# KiCad board VME_Backplane_8ActPas.kicad_pcb (continued)
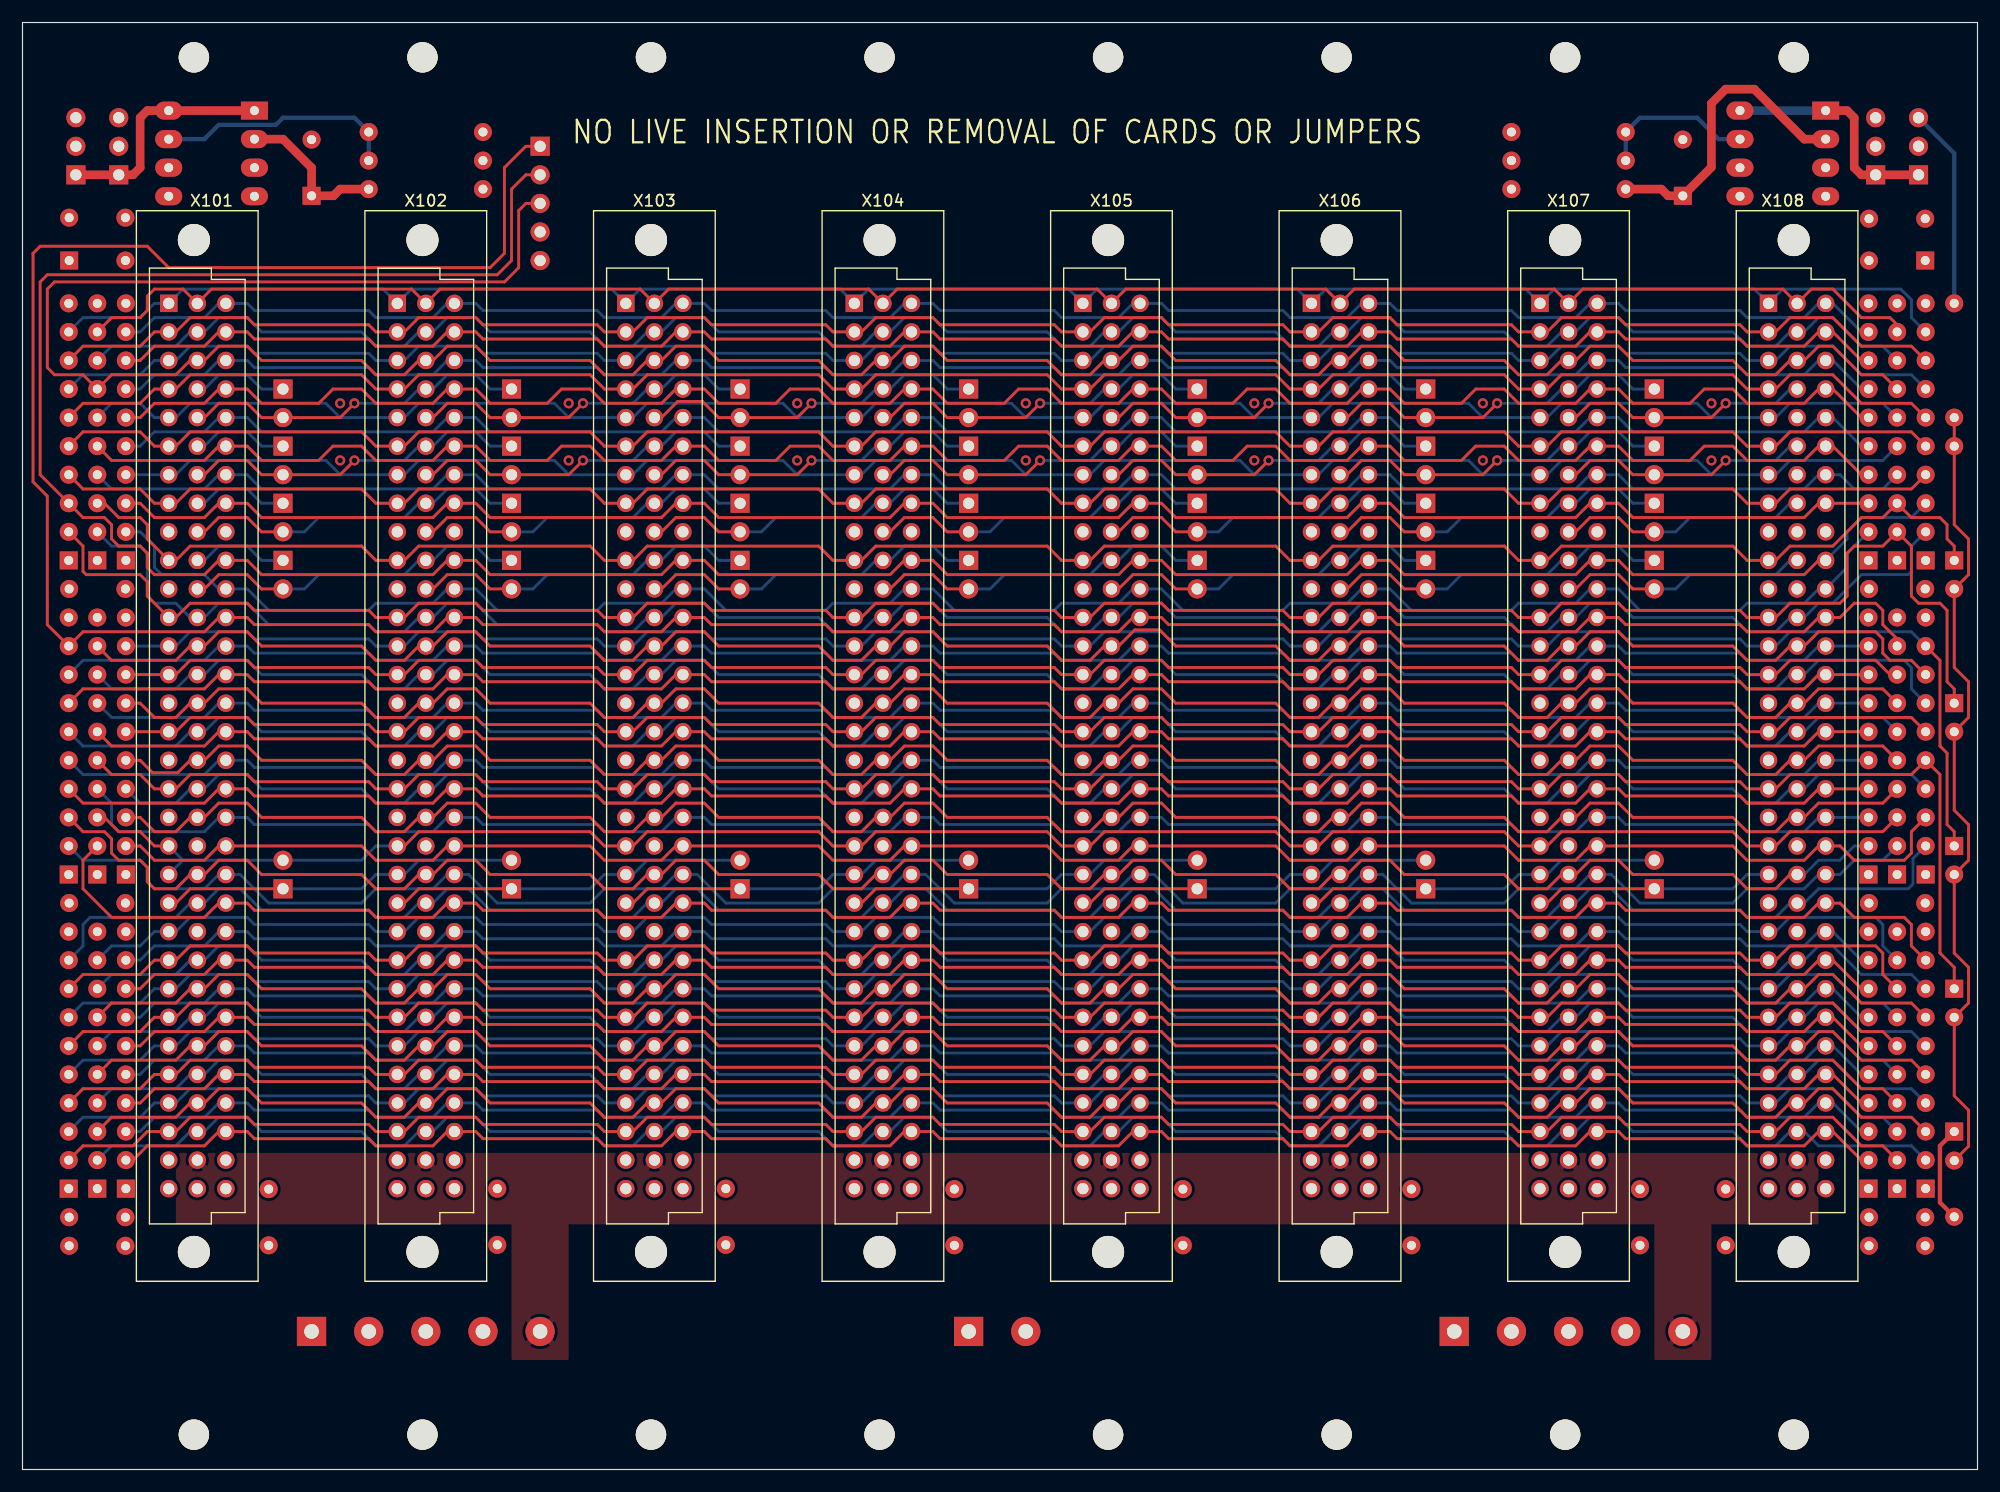
[diagram p0: board, top side]
## Routing (per net, layer and track width the routed paths; a pad name or vN(x,y) marks a point on that pad's centre or on a via; arc(x,y) is an arc through that point) (continued)
D10: length 164.4
  Bottom w0.254: R3.7 10.46,96.1 11.73,97.37 16.17,97.37 17.45,98.64 X101.c3 19.98,98.64 20.62,98.01 30.78,98.01 31.41,97.37 36.49,97.37 37.76,98.64 X102.c3 40.3,98.64 40.94,98.01 51.1,98.01 51.73,97.37 56.82,97.37 58.09,98.64 X103.c3 60.62,98.64 61.26,98.01 71.42,98.01 72.06,97.37 77.13,97.37 78.41,98.64 X104.c3 80.94,98.64 81.58,98.01 91.74,98.01 92.38,97.37 97.45,97.37 98.72,98.64 X105.c3 101.26,98.64 101.9,98.01 112.06,98.01 112.69,97.37 117.78,97.37 119.04,98.64 X106.c3 121.58,98.64 122.22,98.01 132.38,98.01 133.01,97.37 138.09,97.37 139.36,98.64 X107.c3 141.91,98.64 142.54,98.01 152.7,98.01 153.33,97.37 158.41,97.37 159.69,98.64 X108.c3 160.95,98.64 163.5,96.1 R10.7
D11: length 171.8
  Top w0.254: R10.6 163.5,93.56 160.95,96.1 X108.c4 159.69,96.1 158.41,94.83 153.33,94.83 152.06,96.1 149.53,96.1 148.25,94.83 143.17,94.83 141.91,96.1 X107.c4 139.36,96.1 138.09,94.83 133.01,94.83 131.75,96.1 129.2,96.1 127.94,94.83 122.85,94.83 121.58,96.1 X106.c4 119.04,96.1 117.78,94.83 112.69,94.83 111.42,96.1 108.88,96.1 107.61,94.83 102.53,94.83 101.26,96.1 X105.c4 98.72,96.1 97.45,94.83 92.38,94.83 91.1,96.1 88.56,96.1 87.29,94.83 82.22,94.83 80.94,96.1 X104.c4 78.41,96.1 77.13,94.83 72.06,94.83 70.78,96.1 68.25,96.1 66.97,94.83 61.9,94.83 60.62,96.1 X103.c4 58.09,96.1 56.82,94.83 51.73,94.83 50.46,96.1 47.93,96.1 46.65,94.83 41.57,94.83 40.3,96.1 X102.c4 37.76,96.1 36.49,94.83 31.41,94.83 30.15,96.1 27.6,96.1 26.34,94.83 21.26,94.83 19.98,96.1 X101.c4 17.45,96.1 16.17,94.83 11.73,94.83 10.46,93.56 R3.6
D12: length 164.4
  Bottom w0.254: R10.5 163.5,91.02 160.95,93.56 X108.c5 159.69,93.56 158.41,92.29 143.17,92.29 141.91,93.56 X107.c5 139.36,93.56 138.09,92.29 122.85,92.29 121.58,93.56 X106.c5 119.04,93.56 117.78,92.29 102.53,92.29 101.26,93.56 X105.c5 98.72,93.56 97.45,92.29 82.22,92.29 80.94,93.56 X104.c5 78.41,93.56 77.13,92.29 61.9,92.29 60.62,93.56 X103.c5 58.09,93.56 56.82,92.29 41.57,92.29 40.3,93.56 X102.c5 37.76,93.56 36.49,92.29 21.26,92.29 19.98,93.56 X101.c5 17.45,93.56 16.17,92.29 11.73,92.29 10.46,91.02 R3.5
D13: length 174.3
  Top w0.254: R10.4 163.5,88.48 160.95,91.02 X108.c6 159.69,91.02 158.41,89.75 153.33,89.75 152.06,91.02 149.53,91.02 148.25,89.75 143.17,89.75 141.91,91.02 X107.c6 139.36,91.02 138.09,89.75 133.01,89.75 131.75,91.02 129.2,91.02 127.94,89.75 122.85,89.75 121.58,91.02 X106.c6 119.04,91.02 117.78,89.75 112.69,89.75 111.42,91.02 108.88,91.02 107.61,89.75 102.53,89.75 101.26,91.02 X105.c6 98.72,91.02 97.45,89.75 92.38,89.75 91.1,91.02 88.56,91.02 87.29,89.75 82.22,89.75 80.94,91.02 X104.c6 78.41,91.02 77.13,89.75 72.06,89.75 70.78,91.02 68.25,91.02 66.97,89.75 61.9,89.75 60.62,91.02 X103.c6 58.09,91.02 56.82,89.75 51.73,89.75 50.46,91.02 47.93,91.02 46.65,89.75 41.57,89.75 40.3,91.02 X102.c6 37.76,91.02 36.49,89.75 31.41,89.75 30.15,91.02 27.6,91.02 26.34,89.75 21.26,89.75 19.98,91.02 X101.c6 17.45,91.02 16.17,89.75 7.92,89.75 R2.5
D14: length 169.5
  Bottom w0.254: R11.4 165.4,87.21 162.86,87.21 161.59,88.48 X108.c7 159.69,88.48 158.41,87.21 143.17,87.21 141.91,88.48 X107.c7 139.36,88.48 138.09,87.21 122.85,87.21 121.58,88.48 X106.c7 119.04,88.48 117.78,87.21 102.53,87.21 101.26,88.48 X105.c7 98.72,88.48 97.45,87.21 82.22,87.21 80.94,88.48 X104.c7 78.41,88.48 77.13,87.21 61.9,87.21 60.62,88.48 X103.c7 58.09,88.48 56.82,87.21 41.57,87.21 40.3,88.48 X102.c7 37.76,88.48 36.49,87.21 21.26,87.21 19.98,88.48 X101.c7 17.45,88.48 16.17,87.21 7.92,87.21 R2.4
D15: length 163.4
  Top w0.254: R10.3 X108.c8 159.69,85.94 158.41,84.67 143.17,84.67 141.91,85.94 X107.c8 139.36,85.94 138.09,84.67 122.85,84.67 121.58,85.94 X106.c8 119.04,85.94 117.78,84.67 102.53,84.67 101.26,85.94 X105.c8 98.72,85.94 97.45,84.67 82.22,84.67 80.94,85.94 X104.c8 78.41,85.94 77.13,84.67 61.9,84.67 60.62,85.94 X103.c8 58.09,85.94 56.82,84.67 41.57,84.67 40.3,85.94 X102.c8 37.76,85.94 36.49,84.67 21.26,84.67 19.98,85.94 X101.c8 17.45,85.94 16.17,84.67 11.73,84.67 10.46,85.94 R3.3
SERCLK: length 180.4
  Top w0.254: R4.3 5.38,56.73 7.28,56.73 7.92,56.1 7.92,54.83 8.55,54.19 10.46,54.19 11.09,53.56 11.09,52.29 11.73,51.65 13.63,51.65 14.91,52.92 X101.b21 16.17,52.92 17.45,54.19 19.98,54.19 21.26,52.92 30.15,52.92 31.41,51.65 33.96,51.65 35.23,52.92 X102.b21 36.49,52.92 37.76,54.19 40.3,54.19 41.57,52.92 50.46,52.92 51.73,51.65 54.27,51.65 55.54,52.92 X103.b21 56.82,52.92 58.09,54.19 60.62,54.19 61.9,52.92 70.78,52.92 72.06,51.65 74.59,51.65 75.87,52.92 X104.b21 77.13,52.92 78.41,54.19 80.94,54.19 82.22,52.92 91.1,52.92 92.38,51.65 94.91,51.65 96.19,52.92 X105.b21 97.45,52.92 98.72,54.19 101.26,54.19 102.53,52.92 111.42,52.92 112.69,51.65 115.23,51.65 116.5,52.92 X106.b21 117.78,52.92 119.04,54.19 121.58,54.19 122.85,52.92 131.75,52.92 133.01,51.65 135.55,51.65 136.82,52.92 X107.b21 138.09,52.92 139.36,54.19 141.91,54.19 143.17,52.92 152.06,52.92 153.33,51.65 155.88,51.65 157.14,52.92 X108.b21
  Bottom w0.254: X108.b21 158.41,52.92 159.69,54.19 161.59,54.19 162.86,55.46 R13.2
SYSCLK: length 181
  Top w0.254: D1.1 171.75,82.13 171.11,82.77 171.11,84.04 170.48,84.67 167.94,84.67 R11.3 165.4,84.67 163.5,84.67 160.95,82.13 157.14,82.13 155.88,80.86 X108.a10 153.33,80.86 152.06,82.13 136.82,82.13 135.55,80.86 X107.a10 133.01,80.86 131.75,82.13 116.5,82.13 115.23,80.86 X106.a10 112.69,80.86 111.42,82.13 96.19,82.13 94.91,80.86 X105.a10 92.38,80.86 91.1,82.13 75.87,82.13 74.59,80.86 X104.a10 72.06,80.86 70.78,82.13 55.54,82.13 54.27,80.86 X103.a10 51.73,80.86 50.46,82.13 35.23,82.13 33.96,80.86 X102.a10 31.41,80.86 30.15,82.13 14.91,82.13 13.63,80.86 X101.a10 11.09,82.77 11.09,84.04 10.46,84.67 8.55,84.67 7.28,85.94 R2.3
T_L: length 20.8
  Top w0.762: U1.1 U1.8 11.09,120.87 10.46,120.23 10.46,115.79 9.82,115.15 X2H1.1 X2L1.1
T_R: length 20.8
  Top w0.762: X3H1.1 X3L1.1 163.5,115.15 162.86,115.79 162.86,120.23 162.22,120.87 U2.1
  Bottom w0.762: U2.8 U2.1
~{ACFAIL}: length 240.1
  Top w0.254: X1.3 44.75,112.61 44.12,111.98 44.12,106.9 42.85,105.62 2.84,105.62 2.2,104.99 2.2,98.01 2.84,97.37 5.38,97.37 R2.7 7.92,97.37 13.63,97.37 14.91,98.64 X101.b3 16.17,98.64 17.45,99.91 19.98,99.91 21.26,98.64 30.15,98.64 31.41,97.37 33.96,97.37 35.23,98.64 X102.b3 36.49,98.64 37.76,99.91 40.3,99.91 41.57,98.64 50.46,98.64 51.73,97.37 54.27,97.37 55.54,98.64 X103.b3 56.82,98.64 58.09,99.91 60.62,99.91 61.9,98.64 70.78,98.64 72.06,97.37 74.59,97.37 75.87,98.64 X104.b3 77.13,98.64 78.41,99.91 80.94,99.91 82.22,98.64 91.1,98.64 92.38,97.37 94.91,97.37 96.19,98.64 X105.b3 97.45,98.64 98.72,99.91 101.26,99.91 102.53,98.64 111.42,98.64 112.69,97.37 115.23,97.37 116.5,98.64 X106.b3 117.78,98.64 119.04,99.91 121.58,99.91 122.85,98.64 131.75,98.64 133.01,97.37 135.55,97.37 136.82,98.64 X107.b3 138.09,98.64 139.36,99.91 141.91,99.91 143.17,98.64 152.06,98.64 153.33,97.37 155.88,97.37 157.14,98.64 X108.b3 158.41,98.64 159.69,99.91 160.95,99.91 163.5,97.37 165.4,97.37 R11.7
~{AS}: length 193.4
  Top w0.254: R5.5 7.92,61.81 10.46,61.81 11.73,60.54 X101.a18 13.63,60.54 14.91,61.81 19.98,61.81 20.62,61.18 30.78,61.18 31.41,60.54 X102.a18 33.96,60.54 35.23,61.81 40.3,61.81 40.94,61.18 51.1,61.18 51.73,60.54 X103.a18 54.27,60.54 55.54,61.81 60.62,61.81 61.26,61.18 71.42,61.18 72.06,60.54 X104.a18 74.59,60.54 75.87,61.81 80.94,61.81 81.58,61.18 91.74,61.18 92.38,60.54 X105.a18 94.91,60.54 96.19,61.81 101.26,61.81 101.9,61.18 112.06,61.18 112.69,60.54 X106.a18 115.23,60.54 116.5,61.81 121.58,61.81 122.22,61.18 132.38,61.18 133.01,60.54 X107.a18 135.55,60.54 136.82,61.81 141.91,61.81 142.54,61.18 152.7,61.18 153.33,60.54 X108.a18 155.88,60.54 157.14,61.81 167.94,61.81 R15.5 170.48,61.81 170.48,45.94 171.75,44.67 D4.1
~{BBSY}: length 172.7
  Top w0.254: R11.9 166.67,101.82 166.03,102.45 163.5,102.45 160.95,104.99 159.05,104.99 X108.b1 156.51,104.99 138.73,104.99 X107.b1 136.19,104.99 118.41,104.99 X106.b1 115.87,104.99 98.09,104.99 X105.b1 95.55,104.99 77.77,104.99 X104.b1 75.23,104.99 57.45,104.99 X103.b1 54.91,104.99 37.13,104.99 X102.b1 34.59,104.99 16.81,104.99 X101.b1 14.27,104.99 11.73,104.99 11.09,104.36 11.09,103.09 10.46,102.45 7.92,102.45 R2.9
~{BCLR}: length 177.9
  Bottom w0.254: R11.8 165.4,99.91 163.5,99.91 160.95,102.45 159.69,102.45 158.41,101.18 X108.b2 157.14,101.18 155.88,99.91 153.33,99.91 152.06,101.18 143.17,101.18 141.91,102.45 139.36,102.45 138.09,101.18 X107.b2 136.82,101.18 135.55,99.91 133.01,99.91 131.75,101.18 122.85,101.18 121.58,102.45 119.04,102.45 117.78,101.18 X106.b2 116.5,101.18 115.23,99.91 112.69,99.91 111.42,101.18 102.53,101.18 101.26,102.45 98.72,102.45 97.45,101.18 X105.b2 96.19,101.18 94.91,99.91 92.38,99.91 91.1,101.18 82.22,101.18 80.94,102.45 78.41,102.45 77.13,101.18 X104.b2 75.87,101.18 74.59,99.91 72.06,99.91 70.78,101.18 61.9,101.18 60.62,102.45 58.09,102.45 56.82,101.18 X103.b2 55.54,101.18 54.27,99.91 51.73,99.91 50.46,101.18 41.57,101.18 40.3,102.45 37.76,102.45 36.49,101.18 X102.b2 35.23,101.18 33.96,99.91 31.41,99.91 30.15,101.18 21.26,101.18 19.98,102.45 17.45,102.45 16.17,101.18 X101.b2 14.91,101.18 13.63,99.91 7.92,99.91 R2.8
~{BERR}: length 172.1
  Bottom w0.254: R10.2 162.22,81.5 162.22,80.23 X108.c11 159.69,78.32 158.41,77.05 153.33,77.05 152.7,76.42 143.81,76.42 141.91,78.32 X107.c11 139.36,78.32 138.09,77.05 133.01,77.05 132.38,76.42 123.49,76.42 121.58,78.32 X106.c11 119.04,78.32 117.78,77.05 112.69,77.05 112.06,76.42 103.17,76.42 101.26,78.32 X105.c11 98.72,78.32 97.45,77.05 92.38,77.05 91.74,76.42 82.85,76.42 80.94,78.32 X104.c11 78.41,78.32 77.13,77.05 72.06,77.05 71.42,76.42 62.53,76.42 60.62,78.32 X103.c11 58.09,78.32 56.82,77.05 51.73,77.05 51.1,76.42 42.21,76.42 40.3,78.32 X102.c11 37.76,78.32 36.49,77.05 31.41,77.05 30.78,76.42 21.89,76.42 19.98,78.32 X101.c11 17.45,78.32 16.17,79.59 12.37,79.59 11.73,80.23 11.73,82.13 10.46,83.4 R3.2
~{BG0OUT_1}: length 31.1
  Top w0.254: X101.b5 16.17,93.56 17.45,94.83 19.98,94.83 21.26,93.56 X401A1.2 28.24,93.56 v1(29.51,94.83)
  Bottom w0.254: X402A1.1 41.57,96.1 40.3,97.37 37.76,97.37 36.49,96.1 X102.b4 35.23,96.1 33.96,94.83 v1(29.51,94.83)
~{BG0OUT_2}: length 31.1
  Top w0.254: v1(49.83,94.83) 48.56,93.56 X402A1.2 41.57,93.56 40.3,94.83 37.76,94.83 36.49,93.56 X102.b5
  Bottom w0.254: v1(49.83,94.83) 54.27,94.83 55.54,96.1 X103.b4 56.82,96.1 58.09,97.37 60.62,97.37 61.9,96.1 X403A1.1
~{BG0OUT_3}: length 31.2
  Top w0.254: X103.b5 56.82,93.56 58.25,95 60.46,95 61.9,93.56 X403A1.2 68.88,93.56 v1(70.15,94.83)
  Bottom w0.254: v1(70.15,94.83) 74.59,94.83 75.87,96.1 X104.b4 77.13,96.1 78.41,97.37 80.94,97.37 82.22,96.1 X404A1.1
~{BG0OUT_4}: length 31.1
  Top w0.254: X104.b5 77.13,93.56 78.41,94.83 80.94,94.83 82.22,93.56 X404A1.2 89.2,93.56 v1(90.47,94.83)
  Bottom w0.254: X405A1.1 102.53,96.1 101.26,97.37 98.72,97.37 97.45,96.1 X105.b4 96.19,96.1 94.91,94.83 v1(90.47,94.83)
~{BG0OUT_5}: length 31.1
  Top w0.254: v1(110.79,94.83) 109.52,93.56 X405A1.2 102.53,93.56 101.26,94.83 98.72,94.83 97.45,93.56 X105.b5
  Bottom w0.254: X406A1.1 122.85,96.1 121.58,97.37 119.04,97.37 117.78,96.1 X106.b4 116.5,96.1 115.23,94.83 v1(110.79,94.83)
~{BG0OUT_6}: length 31.1
  Top w0.254: v1(131.11,94.83) 129.84,93.56 X406A1.2 122.85,93.56 121.58,94.83 119.04,94.83 117.78,93.56 X106.b5
  Bottom w0.254: v1(131.11,94.83) 135.55,94.83 136.82,96.1 X107.b4 138.09,96.1 139.36,97.37 141.91,97.37 143.17,96.1 X407A1.1
~{BG0OUT_7}: length 22.4
  Top w0.254: v1(151.43,94.83) 150.16,93.56 X407A1.2 143.17,93.56 141.91,94.83 139.36,94.83 138.09,93.56 X107.b5
  Bottom w0.254: v1(151.43,94.83) 155.88,94.83 157.14,96.1 X108.b4
~{BG1OUT_1}: length 31.1
  Top w0.254: v1(29.51,89.75) 28.24,88.48 X401B1.2 21.26,88.48 19.98,89.75 17.45,89.75 16.17,88.48 X101.b7
  Bottom w0.254: v1(29.51,89.75) 33.96,89.75 35.23,91.02 X102.b6 36.49,91.02 37.76,92.29 40.3,92.29 41.57,91.02 X402B1.1
~{BG1OUT_2}: length 31.1
  Top w0.254: v1(49.83,89.75) 48.56,88.48 X402B1.2 41.57,88.48 40.3,89.75 37.76,89.75 36.49,88.48 X102.b7
  Bottom w0.254: v1(49.83,89.75) 54.27,89.75 55.54,91.02 X103.b6 56.82,91.02 58.09,92.29 60.62,92.29 61.9,91.02 X403B1.1
~{BG1OUT_3}: length 31.1
  Top w0.254: X103.b7 56.82,88.48 58.09,89.75 60.62,89.75 61.9,88.48 X403B1.2 68.88,88.48 v1(70.15,89.75)
  Bottom w0.254: X404B1.1 82.22,91.02 80.94,92.29 78.41,92.29 77.13,91.02 X104.b6 75.87,91.02 74.59,89.75 v1(70.15,89.75)
~{BG1OUT_4}: length 31.1
  Top w0.254: v1(90.47,89.75) 89.2,88.48 X404B1.2 82.22,88.48 80.94,89.75 78.41,89.75 77.13,88.48 X104.b7
  Bottom w0.254: X405B1.1 102.53,91.02 101.26,92.29 98.72,92.29 97.45,91.02 X105.b6 96.19,91.02 94.91,89.75 v1(90.47,89.75)
~{BG1OUT_5}: length 31.1
  Top w0.254: X105.b7 97.45,88.48 98.72,89.75 101.26,89.75 102.53,88.48 X405B1.2 109.52,88.48 v1(110.79,89.75)
  Bottom w0.254: X406B1.1 122.85,91.02 121.58,92.29 119.04,92.29 117.78,91.02 X106.b6 116.5,91.02 115.23,89.75 v1(110.79,89.75)
~{BG1OUT_6}: length 31.1
  Top w0.254: v1(131.11,89.75) 129.84,88.48 X406B1.2 122.85,88.48 121.58,89.75 119.04,89.75 117.78,88.48 X106.b7
  Bottom w0.254: v1(131.11,89.75) 135.55,89.75 136.82,91.02 X107.b6 138.09,91.02 139.36,92.29 141.91,92.29 143.17,91.02 X407B1.1
~{BG1OUT_7}: length 22.4
  Top w0.254: X107.b7 138.09,88.48 139.36,89.75 141.91,89.75 143.17,88.48 X407B1.2 150.16,88.48 v1(151.43,89.75)
  Bottom w0.254: X108.b6 157.14,91.02 155.88,89.75 v1(151.43,89.75)
~{BG2OUT_1}: length 31.1
  Top w0.254: X101.b9 16.17,83.4 17.45,84.67 19.98,84.67 21.26,83.4 X401C1.2
  Bottom w0.254: X402C1.1 41.57,85.94 40.3,87.21 37.76,87.21 36.49,85.94 X102.b8 35.23,85.94 33.96,84.67 26.34,84.67 25.06,83.4 X401C1.2
~{BG2OUT_2}: length 31.1
  Top w0.254: X102.b9 36.49,83.4 37.76,84.67 40.3,84.67 41.57,83.4 X402C1.2
  Bottom w0.254: X403C1.1 61.9,85.94 60.62,87.21 58.09,87.21 56.82,85.94 X103.b8 55.54,85.94 54.27,84.67 46.65,84.67 45.38,83.4 X402C1.2
~{BG2OUT_3}: length 31.1
  Top w0.254: X103.b9 56.82,83.4 58.09,84.67 60.62,84.67 61.9,83.4 X403C1.2
  Bottom w0.254: X403C1.2 65.71,83.4 66.97,84.67 74.59,84.67 75.87,85.94 X104.b8 77.13,85.94 78.41,87.21 80.94,87.21 82.22,85.94 X404C1.1
~{BG2OUT_4}: length 31.1
  Top w0.254: X404C1.2 82.22,83.4 80.94,84.67 78.41,84.67 77.13,83.4 X104.b9
  Bottom w0.254: X404C1.2 86.03,83.4 87.29,84.67 94.91,84.67 96.19,85.94 X105.b8 97.45,85.94 98.72,87.21 101.26,87.21 102.53,85.94 X405C1.1
~{BG2OUT_5}: length 31.1
  Top w0.254: X405C1.2 102.53,83.4 101.26,84.67 98.72,84.67 97.45,83.4 X105.b9
  Bottom w0.254: X405C1.2 106.34,83.4 107.61,84.67 115.23,84.67 116.5,85.94 X106.b8 117.78,85.94 119.04,87.21 121.58,87.21 122.85,85.94 X406C1.1
~{BG2OUT_6}: length 31.1
  Top w0.254: X406C1.2 122.85,83.4 121.58,84.67 119.04,84.67 117.78,83.4 X106.b9
  Bottom w0.254: X406C1.2 126.66,83.4 127.94,84.67 135.55,84.67 136.82,85.94 X107.b8 138.09,85.94 139.36,87.21 141.91,87.21 143.17,85.94 X407C1.1
~{BG2OUT_7}: length 22.4
  Top w0.254: X407C1.2 143.17,83.4 141.91,84.67 139.36,84.67 138.09,83.4 X107.b9
  Bottom w0.254: X108.b8 157.14,85.94 155.88,84.67 148.25,84.67 146.98,83.4 X407C1.2
~{BG3OUT_1}: length 31.1
  Top w0.254: X401D1.2 21.26,78.32 19.98,79.59 17.45,79.59 16.17,78.32 X101.b11
  Bottom w0.254: X402D1.1 41.57,80.86 40.3,82.13 37.76,82.13 36.49,80.86 X102.b10 35.23,80.86 33.96,79.59 26.34,79.59 25.06,78.32 X401D1.2
~{BG3OUT_2}: length 31.1
  Top w0.254: X402D1.2 41.57,78.32 40.3,79.59 37.76,79.59 36.49,78.32 X102.b11
  Bottom w0.254: X403D1.1 61.9,80.86 60.62,82.13 58.09,82.13 56.82,80.86 X103.b10 55.54,80.86 54.27,79.59 46.65,79.59 45.38,78.32 X402D1.2
~{BG3OUT_3}: length 31.1
  Top w0.254: X403D1.2 61.9,78.32 60.62,79.59 58.09,79.59 56.82,78.32 X103.b11
  Bottom w0.254: X404D1.1 82.22,80.86 80.94,82.13 78.41,82.13 77.13,80.86 X104.b10 75.87,80.86 74.59,79.59 66.97,79.59 65.71,78.32 X403D1.2
~{BG3OUT_4}: length 31.1
  Top w0.254: X104.b11 77.13,78.32 78.41,79.59 80.94,79.59 82.22,78.32 X404D1.2
  Bottom w0.254: X404D1.2 86.03,78.32 87.29,79.59 94.91,79.59 96.19,80.86 X105.b10 97.45,80.86 98.72,82.13 101.26,82.13 102.53,80.86 X405D1.1
~{BG3OUT_5}: length 31.1
  Top w0.254: X405D1.2 102.53,78.32 101.26,79.59 98.72,79.59 97.45,78.32 X105.b11
  Bottom w0.254: X406D1.1 122.85,80.86 121.58,82.13 119.04,82.13 117.78,80.86 X106.b10 116.5,80.86 115.23,79.59 107.61,79.59 106.34,78.32 X405D1.2
~{BG3OUT_6}: length 31.1
  Top w0.254: X106.b11 117.78,78.32 119.04,79.59 121.58,79.59 122.85,78.32 X406D1.2
  Bottom w0.254: X406D1.2 126.66,78.32 127.94,79.59 135.55,79.59 136.82,80.86 X107.b10 138.09,80.86 139.36,82.13 141.91,82.13 143.17,80.86 X407D1.1
~{BG3OUT_7}: length 22.4
  Top w0.254: X407D1.2 143.17,78.32 141.91,79.59 139.36,79.59 138.09,78.32 X107.b11
  Bottom w0.254: X407D1.2 146.98,78.32 148.25,79.59 155.88,79.59 157.14,80.86 X108.b10
~{BR0}: length 187.2
  Bottom w0.254: R12.2 167.94,82.13 167.94,79.88 167.65,79.59 163.5,79.59 160.95,77.05 159.69,77.05 158.41,75.78 X108.b12 157.14,75.78 155.88,74.51 153.33,74.51 152.06,75.78 143.17,75.78 141.91,77.05 139.36,77.05 138.09,75.78 X107.b12 136.82,75.78 135.55,74.51 133.01,74.51 131.75,75.78 122.85,75.78 121.58,77.05 119.04,77.05 117.78,75.78 X106.b12 116.5,75.78 115.23,74.51 112.69,74.51 111.42,75.78 102.53,75.78 101.26,77.05 98.72,77.05 97.45,75.78 X105.b12 96.19,75.78 94.91,74.51 92.38,74.51 91.1,75.78 82.22,75.78 80.94,77.05 78.41,77.05 77.13,75.78 X104.b12 75.87,75.78 74.59,74.51 72.06,74.51 70.78,75.78 61.9,75.78 60.62,77.05 58.09,77.05 56.82,75.78 X103.b12 55.54,75.78 54.27,74.51 51.73,74.51 51.1,75.15 42.21,75.15 40.3,77.05 37.76,77.05 36.49,75.78 X102.b12 35.23,75.78 33.96,74.51 31.41,74.51 30.78,75.15 21.89,75.15 19.98,77.05 17.45,77.05 16.17,75.78 X101.b12 14.91,75.78 13.63,77.05 11.73,77.05 11.09,77.69 11.09,81.5 10.46,82.13 7.92,82.13 R2.2
~{BR1}: length 181.3
  Top w0.254: R15.8 167.94,71.97 166.03,71.97 165.4,72.61 165.4,73.88 164.76,74.51 159.69,74.51 158.41,73.24 X108.b13 157.14,73.24 155.88,71.97 153.33,71.97 152.06,73.24 143.17,73.24 141.91,74.51 139.36,74.51 138.09,73.24 X107.b13 136.82,73.24 135.55,71.97 133.01,71.97 131.75,73.24 122.85,73.24 121.58,74.51 119.04,74.51 117.78,73.24 X106.b13 116.5,73.24 115.23,71.97 112.69,71.97 111.42,73.24 102.53,73.24 101.1,74.68 98.89,74.68 97.45,73.24 X105.b13 96.19,73.24 94.91,71.97 92.38,71.97 91.1,73.24 82.22,73.24 80.94,74.51 78.41,74.51 77.13,73.24 X104.b13 75.87,73.24 74.59,71.97 72.06,71.97 70.78,73.24 61.9,73.24 60.62,74.51 58.09,74.51 56.82,73.24 X103.b13 55.54,73.24 54.27,71.97 51.73,71.97 50.46,73.24 41.57,73.24 40.3,74.51 37.76,74.51 36.49,73.24 X102.b13 35.23,73.24 33.96,71.97 31.41,71.97 30.15,73.24 21.26,73.24 19.98,74.51 17.45,74.51 16.17,73.24 X101.b13 14.91,73.24 13.63,71.97 7.92,71.97 R5.9
~{BR2}: length 181.6
  Bottom w0.254: R15.7 167.94,69.43 167.94,71.34 167.3,71.97 159.69,71.97 158.41,70.7 X108.b14 157.14,70.7 155.88,69.43 153.33,69.43 152.06,70.7 143.17,70.7 141.91,71.97 139.36,71.97 138.09,70.7 X107.b14 136.82,70.7 135.55,69.43 133.01,69.43 131.75,70.7 122.85,70.7 121.58,71.97 119.04,71.97 117.78,70.7 X106.b14 116.5,70.7 115.23,69.43 112.69,69.43 111.42,70.7 102.53,70.7 101.26,71.97 98.72,71.97 97.45,70.7 X105.b14 96.19,70.7 94.91,69.43 92.38,69.43 91.1,70.7 82.22,70.7 80.94,71.97 78.41,71.97 77.13,70.7 X104.b14 75.87,70.7 74.59,69.43 72.06,69.43 70.78,70.7 61.9,70.7 60.62,71.97 58.09,71.97 56.82,70.7 X103.b14 55.54,70.7 54.27,69.43 51.73,69.43 50.46,70.7 41.57,70.7 40.3,71.97 37.76,71.97 36.49,70.7 X102.b14 35.23,70.7 33.96,69.43 31.41,69.43 30.15,70.7 21.26,70.7 19.98,71.97 17.45,71.97 16.17,70.7 X101.b14 14.91,70.7 13.63,69.43 7.92,69.43 R5.8
~{BR3}: length 174.3
  Top w0.254: R6.7 10.46,68.16 11.73,66.89 13.63,66.89 14.91,68.16 X101.b15 16.17,68.16 17.45,69.43 19.98,69.43 21.26,68.16 30.15,68.16 31.41,66.89 33.96,66.89 35.23,68.16 X102.b15 36.49,68.16 37.76,69.43 40.3,69.43 41.57,68.16 50.46,68.16 51.73,66.89 54.27,66.89 55.54,68.16 X103.b15 56.82,68.16 58.09,69.43 60.62,69.43 61.9,68.16 70.78,68.16 72.06,66.89 74.59,66.89 75.87,68.16 X104.b15 77.13,68.16 78.41,69.43 80.94,69.43 82.22,68.16 91.1,68.16 92.38,66.89 94.91,66.89 96.19,68.16 X105.b15 97.45,68.16 98.72,69.43 101.26,69.43 102.53,68.16 111.42,68.16 112.69,66.89 115.23,66.89 116.5,68.16 X106.b15 117.78,68.16 119.04,69.43 121.58,69.43 122.85,68.16 131.75,68.16 133.01,66.89 135.55,66.89 136.82,68.16 X107.b15 138.09,68.16 139.36,69.43 141.91,69.43 143.17,68.16 152.06,68.16 153.33,66.89 155.88,66.89 157.14,68.16 X108.b15 158.41,68.16 159.69,69.43 165.4,69.43 R14.7
~{DS0}: length 187.3
  Top w0.254: R15.9 170.48,71.97 170.48,64.35 171.11,63.72 171.11,57.37 171.75,56.73 D3.1
  Bottom w0.254: R15.9 167.94,74.51 157.14,74.51 155.88,73.24 X108.a13 153.33,73.24 152.7,73.88 142.54,73.88 141.91,74.51 136.82,74.51 135.55,73.24 X107.a13 133.01,73.24 132.38,73.88 122.22,73.88 121.58,74.51 116.5,74.51 115.23,73.24 X106.a13 112.69,73.24 112.06,73.88 101.9,73.88 101.26,74.51 96.19,74.51 94.91,73.24 X105.a13 92.38,73.24 91.74,73.88 81.58,73.88 80.94,74.51 75.87,74.51 74.59,73.24 X104.a13 72.06,73.24 71.42,73.88 61.26,73.88 60.62,74.51 55.54,74.51 54.27,73.24 X103.a13 51.73,73.24 51.1,73.88 40.94,73.88 40.3,74.51 35.23,74.51 33.96,73.24 X102.a13 31.41,73.24 30.78,73.88 20.62,73.88 19.98,74.51 14.91,74.51 13.63,73.24 X101.a13 R6.9
~{DS1}: length 199
  Top w0.254: R1.2 5.38,82.13 5.38,79.88 5.67,79.59 10.46,79.59 11.09,78.96 11.09,77.69 X101.a12 13.63,75.78 14.91,77.05 19.98,77.05 20.62,76.42 30.78,76.42 31.41,75.78 X102.a12 33.96,75.78 35.23,77.05 40.3,77.05 40.94,76.42 51.1,76.42 51.73,75.78 X103.a12 54.27,75.78 55.54,77.05 60.62,77.05 61.26,76.42 71.42,76.42 72.06,75.78 X104.a12 74.59,75.78 75.87,77.05 80.94,77.05 81.58,76.42 91.74,76.42 92.38,75.78 X105.a12 94.91,75.78 96.19,77.05 101.26,77.05 101.9,76.42 112.06,76.42 112.69,75.78 X106.a12 115.23,75.78 116.5,77.05 121.58,77.05 122.22,76.42 132.38,76.42 133.01,75.78 X107.a12 135.55,75.78 136.82,77.05 141.91,77.05 142.54,76.42 152.7,76.42 153.33,75.78 X108.a12 155.88,75.78 157.14,77.05 161.59,77.05 162.22,77.69 162.22,81.5 162.86,82.13 165.4,82.13 R11.2 167.94,82.13 167.94,77.69 168.57,77.05 170.48,77.05 171.11,76.42 171.11,70.07 171.75,69.43 D2.1
~{DTACK}: length 168.4
  Top w0.254: R6.6 X101.a16 13.63,65.62 14.91,66.89 19.98,66.89 20.62,66.26 30.78,66.26 31.41,65.62 X102.a16 33.96,65.62 35.23,66.89 40.3,66.89 40.94,66.26 51.1,66.26 51.73,65.62 X103.a16 54.27,65.62 55.54,66.89 60.62,66.89 61.26,66.26 71.42,66.26 72.06,65.62 X104.a16 74.59,65.62 75.87,66.89 80.94,66.89 81.58,66.26 91.74,66.26 92.38,65.62 X105.a16 94.91,65.62 96.19,66.89 101.26,66.89 101.9,66.26 112.06,66.26 112.69,65.62 X106.a16 115.23,65.62 116.5,66.89 121.58,66.89 122.22,66.26 132.38,66.26 133.01,65.62 X107.a16 135.55,65.62 136.82,66.89 141.91,66.89 142.54,66.26 152.7,66.26 153.33,65.62 X108.a16 155.88,65.62 157.14,66.89 167.94,66.89 R15.6
~{IACKOUT_1}: length 32.1
  Top w0.254: X101.a22 13.63,50.38 14.91,51.65 X501.1
  Bottom w0.254: X502.2 35.23,54.19 33.96,52.92 X102.a21 31.41,52.92 30.15,51.65 X501.1
~{IACKOUT_2}: length 32.1
  Top w0.254: X502.1 35.23,51.65 33.96,50.38 X102.a22
  Bottom w0.254: X503.2 55.54,54.19 54.27,52.92 X103.a21 51.73,52.92 50.46,51.65 X502.1
~{IACKOUT_3}: length 32.1
  Top w0.254: X503.1 55.54,51.65 54.27,50.38 X103.a22
  Bottom w0.254: X503.1 70.78,51.65 72.06,52.92 X104.a21 74.59,52.92 75.87,54.19 X504.2
~{IACKOUT_4}: length 32.1
  Top w0.254: X504.1 75.87,51.65 74.59,50.38 X104.a22
  Bottom w0.254: X505.2 96.19,54.19 94.91,52.92 X105.a21 92.38,52.92 91.1,51.65 X504.1
~{IACKOUT_5}: length 31.4
  Top w0.254: X105.a22 94.91,50.38 96.19,51.65 X505.1
  Bottom w0.254: X106.a21 112.69,52.92 111.42,51.65 X505.1 ; X506.2 116.5,54.19 115.23,52.92
~{IACKOUT_6}: length 32.1
  Top w0.254: X106.a22 115.23,50.38 116.5,51.65 X506.1
  Bottom w0.254: X507.2 136.82,54.19 135.55,52.92 X107.a21 133.01,52.92 131.75,51.65 X506.1
~{IACKOUT_7}: length 21.4
  Top w0.254: X507.1 136.82,51.65 135.55,50.38 X107.a22
  Bottom w0.254: X507.1 152.06,51.65 153.33,52.92 X108.a21
~{IACK}: length 171.3
  Top w0.254: X101.a20 11.73,55.46 10.46,56.73 8.55,56.73 7.28,58 R5.3 ; X102.a20 33.96,55.46 35.23,56.73 50.46,56.73 51.73,55.46 X103.a20 54.27,55.46 55.54,56.73 70.78,56.73 72.06,55.46 X104.a20 74.59,55.46 75.87,56.73 91.1,56.73 92.38,55.46 X105.a20 94.91,55.46 96.19,56.73 111.42,56.73 112.69,55.46 X106.a20 115.23,55.46 116.5,56.73 131.75,56.73 133.01,55.46 X107.a20 135.55,55.46 136.82,56.73 152.06,56.73 153.33,55.46 X108.a20 155.88,55.46 157.14,56.73 165.4,56.73 R14.3
  Bottom w0.254: X101.a21 14.27,54.19 ; 14.27,54.19 X101.a20 ; 14.27,54.19 X501.2 30.15,54.19 31.41,55.46 X102.a20
~{IRQ1}: length 179.4
  Bottom w0.254: R18.2 167.94,28.79 159.69,28.79 158.41,30.06 X108.b30 157.14,30.06 155.88,28.79 153.33,28.79 152.06,30.06 143.17,30.06 141.91,31.33 139.36,31.33 138.09,30.06 X107.b30 136.82,30.06 135.55,28.79 133.01,28.79 131.75,30.06 122.85,30.06 121.58,31.33 119.04,31.33 117.78,30.06 X106.b30 116.5,30.06 115.23,28.79 112.69,28.79 111.42,30.06 102.53,30.06 101.26,31.33 98.72,31.33 97.45,30.06 X105.b30 96.19,30.06 94.91,28.79 92.38,28.79 91.1,30.06 82.22,30.06 80.94,31.33 78.41,31.33 77.13,30.06 X104.b30 75.87,30.06 74.59,28.79 72.06,28.79 70.78,30.06 61.9,30.06 60.62,31.33 58.09,31.33 56.82,30.06 X103.b30 55.54,30.06 54.27,28.79 51.73,28.79 50.46,30.06 41.57,30.06 40.3,31.33 37.76,31.33 36.49,30.06 X102.b30 35.23,30.06 33.96,28.79 31.41,28.79 30.15,30.06 21.26,30.06 19.98,31.33 17.45,31.33 16.17,30.06 X101.b30 14.91,30.06 13.63,28.79 7.92,28.79 R8.2
~{IRQ2}: length 180.4
  Top w0.254: R8.3 7.92,31.33 13.63,31.33 14.91,32.6 X101.b29 16.17,32.6 17.45,33.87 19.98,33.87 21.26,32.6 30.15,32.6 31.41,31.33 33.96,31.33 35.23,32.6 X102.b29 36.49,32.6 37.76,33.87 40.3,33.87 41.57,32.6 50.46,32.6 51.73,31.33 54.27,31.33 55.54,32.6 X103.b29 56.82,32.6 58.09,33.87 60.62,33.87 61.9,32.6 70.78,32.6 72.06,31.33 74.59,31.33 75.87,32.6 X104.b29 77.13,32.6 78.41,33.87 80.94,33.87 82.22,32.6 91.1,32.6 92.38,31.33 94.91,31.33 96.19,32.6 X105.b29 97.45,32.6 98.72,33.87 101.26,33.87 102.53,32.6 111.42,32.6 112.69,31.33 115.23,31.33 116.5,32.6 X106.b29 117.78,32.6 119.04,33.87 121.58,33.87 122.85,32.6 131.75,32.6 133.01,31.33 135.55,31.33 136.82,32.6 X107.b29 138.09,32.6 139.36,33.87 141.91,33.87 143.17,32.6 152.06,32.6 153.33,31.33 155.88,31.33 157.14,32.6 X108.b29 158.41,32.6 159.69,33.87 160.95,33.87 163.5,31.33 167.94,31.33 R18.3
~{IRQ3}: length 180.4
  Bottom w0.254: R8.4 7.92,33.87 13.63,33.87 14.91,35.14 X101.b28 16.17,35.14 17.45,36.41 19.98,36.41 21.26,35.14 30.15,35.14 31.41,33.87 33.96,33.87 35.23,35.14 X102.b28 36.49,35.14 37.76,36.41 40.3,36.41 41.57,35.14 50.46,35.14 51.73,33.87 54.27,33.87 55.54,35.14 X103.b28 56.82,35.14 58.09,36.41 60.62,36.41 61.9,35.14 70.78,35.14 72.06,33.87 74.59,33.87 75.87,35.14 X104.b28 77.13,35.14 78.41,36.41 80.94,36.41 82.22,35.14 91.1,35.14 92.38,33.87 94.91,33.87 96.19,35.14 X105.b28 97.45,35.14 98.72,36.41 101.26,36.41 102.53,35.14 111.42,35.14 112.69,33.87 115.23,33.87 116.5,35.14 X106.b28 117.78,35.14 119.04,36.41 121.58,36.41 122.85,35.14 131.75,35.14 133.01,33.87 135.55,33.87 136.82,35.14 X107.b28 138.09,35.14 139.36,36.41 141.91,36.41 143.17,35.14 152.06,35.14 153.33,33.87 155.88,33.87 157.14,35.14 X108.b28 158.41,35.14 159.69,36.41 160.95,36.41 163.5,33.87 167.94,33.87 R18.4
~{IRQ4}: length 180.4
  Top w0.254: R8.5 7.92,36.41 13.63,36.41 14.91,37.68 X101.b27 16.17,37.68 17.45,38.95 19.98,38.95 21.26,37.68 30.15,37.68 31.41,36.41 33.96,36.41 35.23,37.68 X102.b27 36.49,37.68 37.76,38.95 40.3,38.95 41.57,37.68 50.46,37.68 51.73,36.41 54.27,36.41 55.54,37.68 X103.b27 56.82,37.68 58.09,38.95 60.62,38.95 61.9,37.68 70.78,37.68 72.06,36.41 74.59,36.41 75.87,37.68 X104.b27 77.13,37.68 78.41,38.95 80.94,38.95 82.22,37.68 91.1,37.68 92.38,36.41 94.91,36.41 96.19,37.68 X105.b27 97.45,37.68 98.72,38.95 101.26,38.95 102.53,37.68 111.42,37.68 112.69,36.41 115.23,36.41 116.5,37.68 X106.b27 117.78,37.68 119.04,38.95 121.58,38.95 122.85,37.68 131.75,37.68 133.01,36.41 135.55,36.41 136.82,37.68 X107.b27 138.09,37.68 139.36,38.95 141.91,38.95 143.17,37.68 152.06,37.68 153.33,36.41 155.88,36.41 157.14,37.68 X108.b27 158.41,37.68 159.69,38.95 160.95,38.95 163.5,36.41 167.94,36.41 R18.5
~{IRQ5}: length 180.4
  Bottom w0.254: R8.6 7.92,38.95 13.63,38.95 14.91,40.22 X101.b26 16.17,40.22 17.45,41.49 19.98,41.49 21.26,40.22 30.15,40.22 31.41,38.95 33.96,38.95 35.23,40.22 X102.b26 36.49,40.22 37.76,41.49 40.3,41.49 41.57,40.22 50.46,40.22 51.73,38.95 54.27,38.95 55.54,40.22 X103.b26 56.82,40.22 58.09,41.49 60.62,41.49 61.9,40.22 70.78,40.22 72.06,38.95 74.59,38.95 75.87,40.22 X104.b26 77.13,40.22 78.41,41.49 80.94,41.49 82.22,40.22 91.1,40.22 92.38,38.95 94.91,38.95 96.19,40.22 X105.b26 97.45,40.22 98.72,41.49 101.26,41.49 102.53,40.22 111.42,40.22 112.69,38.95 115.23,38.95 116.5,40.22 X106.b26 117.78,40.22 119.04,41.49 121.58,41.49 122.85,40.22 131.75,40.22 133.01,38.95 135.55,38.95 136.82,40.22 X107.b26 138.09,40.22 139.36,41.49 141.91,41.49 143.17,40.22 152.06,40.22 153.33,38.95 155.88,38.95 157.14,40.22 X108.b26 158.41,40.22 159.69,41.49 160.95,41.49 163.5,38.95 167.94,38.95 R18.6
~{IRQ6}: length 180.4
  Top w0.254: R18.7 167.94,41.49 163.5,41.49 160.95,44.03 159.69,44.03 158.41,42.76 X108.b25 157.14,42.76 155.88,41.49 153.33,41.49 152.06,42.76 143.17,42.76 141.91,44.03 139.36,44.03 138.09,42.76 X107.b25 136.82,42.76 135.55,41.49 133.01,41.49 131.75,42.76 122.85,42.76 121.58,44.03 119.04,44.03 117.78,42.76 X106.b25 116.5,42.76 115.23,41.49 112.69,41.49 111.42,42.76 102.53,42.76 101.26,44.03 98.72,44.03 97.45,42.76 X105.b25 96.19,42.76 94.91,41.49 92.38,41.49 91.1,42.76 82.22,42.76 80.94,44.03 78.41,44.03 77.13,42.76 X104.b25 75.87,42.76 74.59,41.49 72.06,41.49 70.78,42.76 61.9,42.76 60.62,44.03 58.09,44.03 56.82,42.76 X103.b25 55.54,42.76 54.27,41.49 51.73,41.49 50.46,42.76 41.57,42.76 40.3,44.03 37.76,44.03 36.49,42.76 X102.b25 35.23,42.76 33.96,41.49 31.41,41.49 30.15,42.76 21.26,42.76 19.98,44.03 17.45,44.03 16.17,42.76 X101.b25 14.91,42.76 13.63,41.49 7.92,41.49 R8.7
~{IRQ7}: length 180.4
  Bottom w0.254: R18.8 167.94,44.03 163.5,44.03 160.95,46.57 159.69,46.57 158.41,45.3 X108.b24 157.14,45.3 155.88,44.03 153.33,44.03 152.06,45.3 143.17,45.3 141.91,46.57 139.36,46.57 138.09,45.3 X107.b24 136.82,45.3 135.55,44.03 133.01,44.03 131.75,45.3 122.85,45.3 121.58,46.57 119.04,46.57 117.78,45.3 X106.b24 116.5,45.3 115.23,44.03 112.69,44.03 111.42,45.3 102.53,45.3 101.26,46.57 98.72,46.57 97.45,45.3 X105.b24 96.19,45.3 94.91,44.03 92.38,44.03 91.1,45.3 82.22,45.3 80.94,46.57 78.41,46.57 77.13,45.3 X104.b24 75.87,45.3 74.59,44.03 72.06,44.03 70.78,45.3 61.9,45.3 60.62,46.57 58.09,46.57 56.82,45.3 X103.b24 55.54,45.3 54.27,44.03 51.73,44.03 50.46,45.3 41.57,45.3 40.3,46.57 37.76,46.57 36.49,45.3 X102.b24 35.23,45.3 33.96,44.03 31.41,44.03 30.15,45.3 21.26,45.3 19.98,46.57 17.45,46.57 16.17,45.3 X101.b24 14.91,45.3 13.63,44.03 7.92,44.03 R8.8
~{LWORD}: length 168.4
  Bottom w0.254: R13.9 X108.c13 159.69,73.24 158.41,71.97 153.33,71.97 152.7,72.61 142.54,72.61 141.91,73.24 X107.c13 139.36,73.24 138.09,71.97 133.01,71.97 132.38,72.61 122.22,72.61 121.58,73.24 X106.c13 119.04,73.24 117.78,71.97 112.69,71.97 112.06,72.61 101.9,72.61 101.26,73.24 X105.c13 98.72,73.24 97.45,71.97 92.38,71.97 91.74,72.61 81.58,72.61 80.94,73.24 X104.c13 78.41,73.24 77.13,71.97 72.06,71.97 71.42,72.61 61.26,72.61 60.62,73.24 X103.c13 58.09,73.24 56.82,71.97 51.73,71.97 51.1,72.61 40.94,72.61 40.3,73.24 X102.c13 37.76,73.24 36.49,71.97 31.41,71.97 30.78,72.61 20.62,72.61 19.98,73.24 X101.c13 17.45,73.24 16.17,71.97 5.38,71.97 R4.8
~{SERDAT}: length 186.5
  Bottom w0.254: R7.9 5.38,46.57 5.38,48.48 6.02,49.11 13.63,49.11 14.91,50.38 X101.b22 16.17,50.38 17.45,51.65 19.35,51.65 21.26,49.75 30.78,49.75 31.41,49.11 33.96,49.11 35.23,50.38 X102.b22 36.49,50.38 37.76,51.65 39.67,51.65 41.57,49.75 51.1,49.75 51.73,49.11 54.27,49.11 55.54,50.38 X103.b22 56.82,50.38 58.09,51.65 59.99,51.65 61.9,49.75 71.42,49.75 72.06,49.11 74.59,49.11 75.87,50.38 X104.b22 77.13,50.38 78.41,51.65 80.31,51.65 82.22,49.75 91.74,49.75 92.38,49.11 94.91,49.11 96.19,50.38 X105.b22 97.45,50.38 98.72,51.65 100.63,51.65 102.53,49.75 112.06,49.75 112.69,49.11 115.23,49.11 116.5,50.38 X106.b22 117.78,50.38 119.04,51.65 120.95,51.65 122.85,49.75 132.38,49.75 133.01,49.11 135.55,49.11 136.82,50.38 X107.b22 138.09,50.38 139.36,51.65 141.27,51.65 143.17,49.75 152.7,49.75 153.33,49.11 155.88,49.11 157.14,50.38 X108.b22 158.41,50.38 159.69,51.65 167.65,51.65 168.08,52.08 168.08,54.33 R15.2
~{SYSFAIL}: length 252.4
  Top w0.254: X1.2 44.75,115.15 43.48,113.88 43.48,107.53 42.21,106.26 2.2,106.26 1.57,105.62 1.57,88.48 R1.3 5.38,84.67 7.28,84.67 7.92,84.04 7.92,82.77 8.55,82.13 10.46,82.13 11.09,81.5 11.09,80.23 11.73,79.59 16.17,79.59 17.45,80.86 X101.c10 19.98,80.86 21.26,79.59 36.49,79.59 37.76,80.86 X102.c10 40.3,80.86 41.57,79.59 56.82,79.59 58.09,80.86 X103.c10 60.62,80.86 61.9,79.59 77.13,79.59 78.41,80.86 X104.c10 80.94,80.86 82.22,79.59 97.45,79.59 98.72,80.86 X105.c10 101.26,80.86 102.53,79.59 117.78,79.59 119.04,80.86 X106.c10 121.58,80.86 122.85,79.59 138.09,79.59 139.36,80.86 X107.c10 141.91,80.86 143.17,79.59 158.41,79.59 159.69,80.86 X108.c10
  Bottom w0.254: X108.c10 162.22,82.77 162.22,83.4 163.5,84.67 167.94,84.67 R12.3
~{SYSRESET}: length 265.5
  Top w0.254: X1.1 44.75,117.69 42.85,115.79 42.85,108.17 41.57,106.9 13,106.9 11.09,108.8 1.57,108.8 0.94,108.17 0.94,87.85 2.2,86.58 2.2,75.15 R4.9 5.38,74.51 16.17,74.51 17.45,75.78 X101.c12 19.98,75.78 20.62,75.15 30.78,75.15 31.41,74.51 36.49,74.51 37.76,75.78 X102.c12 40.3,75.78 40.94,75.15 51.1,75.15 51.73,74.51 56.82,74.51 58.09,75.78 X103.c12 60.62,75.78 61.26,75.15 71.42,75.15 72.06,74.51 77.13,74.51 78.41,75.78 X104.c12 80.94,75.78 81.58,75.15 91.74,75.15 92.38,74.51 97.45,74.51 98.72,75.78 X105.c12 101.26,75.78 101.9,75.15 112.06,75.15 112.69,74.51 117.78,74.51 119.04,75.78 X106.c12 121.58,75.78 122.22,75.15 132.38,75.15 133.01,74.51 138.09,74.51 139.36,75.78 X107.c12 141.91,75.78 142.54,75.15 152.7,75.15 153.33,74.51 158.41,74.51 159.69,75.78 X108.c12 161.59,75.78 162.86,77.05 164.76,77.05 165.4,76.42 165.4,75.15 166.67,73.88 R14.9
~{WRITE}: length 165.9
  Top w0.254: R6.8 X101.a14 13.63,70.7 14.91,71.97 19.98,71.97 20.62,71.34 30.78,71.34 31.41,70.7 X102.a14 33.96,70.7 35.23,71.97 40.3,71.97 40.94,71.34 51.1,71.34 51.73,70.7 X103.a14 54.27,70.7 55.54,71.97 60.62,71.97 61.26,71.34 71.42,71.34 72.06,70.7 X104.a14 74.59,70.7 75.87,71.97 80.94,71.97 81.58,71.34 91.74,71.34 92.38,70.7 X105.a14 94.91,70.7 96.19,71.97 101.26,71.97 101.9,71.34 112.06,71.34 112.69,70.7 X106.a14 115.23,70.7 116.5,71.97 121.58,71.97 122.22,71.34 132.38,71.34 133.01,70.7 X107.a14 135.55,70.7 136.82,71.97 141.91,71.97 142.54,71.34 152.7,71.34 153.33,70.7 X108.a14 155.88,70.7 157.14,71.97 164.76,71.97 166.03,70.7 R14.8
Net-(C9-Pad1): length 71.3
  Top w0.254: C9.1 173.02,28.75 173.02,31.97 171.75,33.24 D5.2 173.02,41.49 173.02,44.67 171.75,45.94 D4.2 173.02,54.19 173.02,57.37 171.75,58.64 D3.2 173.02,66.89 173.02,70.07 171.75,71.34 D2.2 173.02,79.59 173.02,82.77 171.75,84.04 D1.2 R105.2
Net-(C14-Pad1): length 14
  Top w0.762: R106.1 28.24,113.88 27.64,113.29 C14.1 25.7,115.79 23.16,118.33 U1.2
Net-(C15-Pad1): length 27.1
  Top w0.762: R107.1 145.72,113.88 146.31,113.29 C15.1 150.16,115.83 150.16,121.5 151.43,122.77 153.97,122.77 158.41,118.33 U2.2
Net-(R101-Pad2): length 21.6
  Bottom w0.381: U1.7 16.17,118.33 17.45,119.6 22.52,119.6 23.16,120.23 29.51,120.23 R102.1 R101.2
Net-(R103-Pad1): length 14
  Bottom w0.381: U2.7 150.79,118.33 148.89,120.23 143.81,120.23 R104.1 R103.1
Net-(X101-Padb4): length 8.7
  Bottom w0.254: X401A1.1 21.26,96.1 19.98,97.37 17.45,97.37 16.17,96.1 X101.b4
Net-(X101-Padb6): length 8.7
  Bottom w0.254: X101.b6 16.17,91.02 17.45,92.29 19.98,92.29 21.26,91.02 X401B1.1
Net-(X101-Padb8): length 8.7
  Bottom w0.254: X101.b8 16.17,85.94 17.45,87.21 19.98,87.21 21.26,85.94 X401C1.1
Net-(X101-Padb10): length 8.7
  Bottom w0.254: X101.b10 16.17,80.86 17.45,82.13 19.98,82.13 21.26,80.86 X401D1.1

## Copper pours and planes (outline as drawn; the poured copper is in the pictures)
+5V on Bottom: 162.22,20.53 134.92,20.53 134.92,9.74 129.84,9.74 129.84,20.53 86.66,20.53 86.66,9.74 81.58,9.74 81.58,14.82 84.75,14.82 84.75,20.53 33.32,20.53 33.32,9.74 28.24,9.74 28.24,20.53 0.3,20.53 0.3,121.5 175.56,121.5 175.56,111.34 47.93,111.34 47.93,108.8 44.12,108.8 44.12,111.34 2.2,111.34 2.2,24.34 11.09,24.34 11.09,26.25 162.22,26.25
+12V on In2.Cu: 162.22,21.81 145.08,21.81 145.08,9.74 140,9.74 140,21.81 43.48,21.81 43.48,9.74 38.4,9.74 38.4,21.81 16.17,21.81 16.17,28.79 19.98,28.79 19.98,28.16 36.49,28.16 36.49,28.79 40.3,28.79 40.3,28.16 56.82,28.16 56.82,28.79 60.62,28.79 60.62,28.16 77.13,28.16 77.13,28.79 80.94,28.79 80.94,28.16 97.45,28.16 97.45,28.79 101.26,28.79 101.26,28.16 117.78,28.16 117.78,28.79 121.58,28.79 121.58,28.16 138.09,28.16 138.09,28.79 141.91,28.79 141.91,28.16 158.41,28.16 158.41,28.79 162.22,28.79
-12V on In1.Cu: 157.14,21.81 129.84,21.81 129.84,9.74 124.76,9.74 124.76,21.81 28.24,21.81 28.24,9.74 23.16,9.74 23.16,21.81 11.09,21.81 11.09,28.16 157.14,28.16
GND on In1.Cu: 178.1,-2.96 -2.24,-2.96 -2.24,131.66 178.1,131.66
GND on In2.Cu: 178.1,-5.5 -4.78,-5.5 -4.78,134.2 178.1,134.2
+BATT on Top: 159.69,21.81 150.16,21.81 150.16,9.74 145.08,9.74 145.08,21.81 48.56,21.81 48.56,9.74 43.48,9.74 43.48,21.81 13.63,21.81 13.63,28.16 159.69,28.16
/Termination Resistors/HI_L on In1.Cu: 10.46,113.25 6.65,113.25 6.65,105.62 10.46,105.62 10.46,102.45 2.84,102.45 2.84,79.59 5.38,79.59 5.38,77.69 10.46,77.69 10.46,74.51 2.84,74.51 2.84,51.65 5.38,51.65 5.38,49.75 10.46,49.75 10.46,46.57 2.84,46.57 2.84,23.71 5.38,23.71 5.38,18.63 0.94,18.63 0.94,118.96 10.46,118.96
/Termination Resistors/HI_R on In1.Cu: 175.56,18.63 167.94,18.63 167.94,23.71 169.84,23.71 169.84,46.57 162.86,46.57 162.86,49.75 167.94,49.75 167.94,51.65 169.84,51.65 169.84,74.51 162.86,74.51 162.86,77.69 167.94,77.69 167.94,79.59 169.84,79.59 169.84,102.45 162.86,102.45 162.86,105.62 166.67,105.62 166.67,118.96 175.56,118.96
/Termination Resistors/LO_L on In2.Cu: 6.65,113.25 2.84,113.25 2.84,82.13 10.46,82.13 10.46,78.96 2.84,78.96 2.84,54.19 10.46,54.19 10.46,51.02 2.84,51.02 2.84,26.25 10.46,26.25 10.46,23.08 0.94,23.08 0.94,118.96 6.65,118.96
/Termination Resistors/LO_R on In2.Cu: 175.56,23.08 162.86,23.08 162.86,26.25 169.84,26.25 169.84,51.02 162.86,51.02 162.86,54.19 169.84,54.19 169.84,78.96 162.86,78.96 162.86,82.13 169.84,82.13 169.84,105.62 170.48,105.62 170.48,113.25 162.86,113.25 162.86,118.96 175.56,118.96

## Text on the board
B.Silkscreen: P | A | X2 | BG | IACK | 0 | 1 | 2 | 3 | X3 | IN | OUT | ~{SYSRESET} | ~{SYSFAIL} | ~{ACFAIL} | +5V | GND | 8 SLOT J1 VMEBUS BACKPLANE | TOM STOREY JAN 2024 REV 1 | X401 | X402 | X403 | X404 | X405 | X406 | X407 | +5V STBY | NO LIVE INSERTION OR REMOVAL / OF CARDS OR JUMPERS | -12V | +12V | +5V / SENSE
F.Silkscreen: NO LIVE INSERTION OR REMOVAL OF CARDS OR JUMPERS
